# KiCad board Zazu.kicad_pcb (continued)
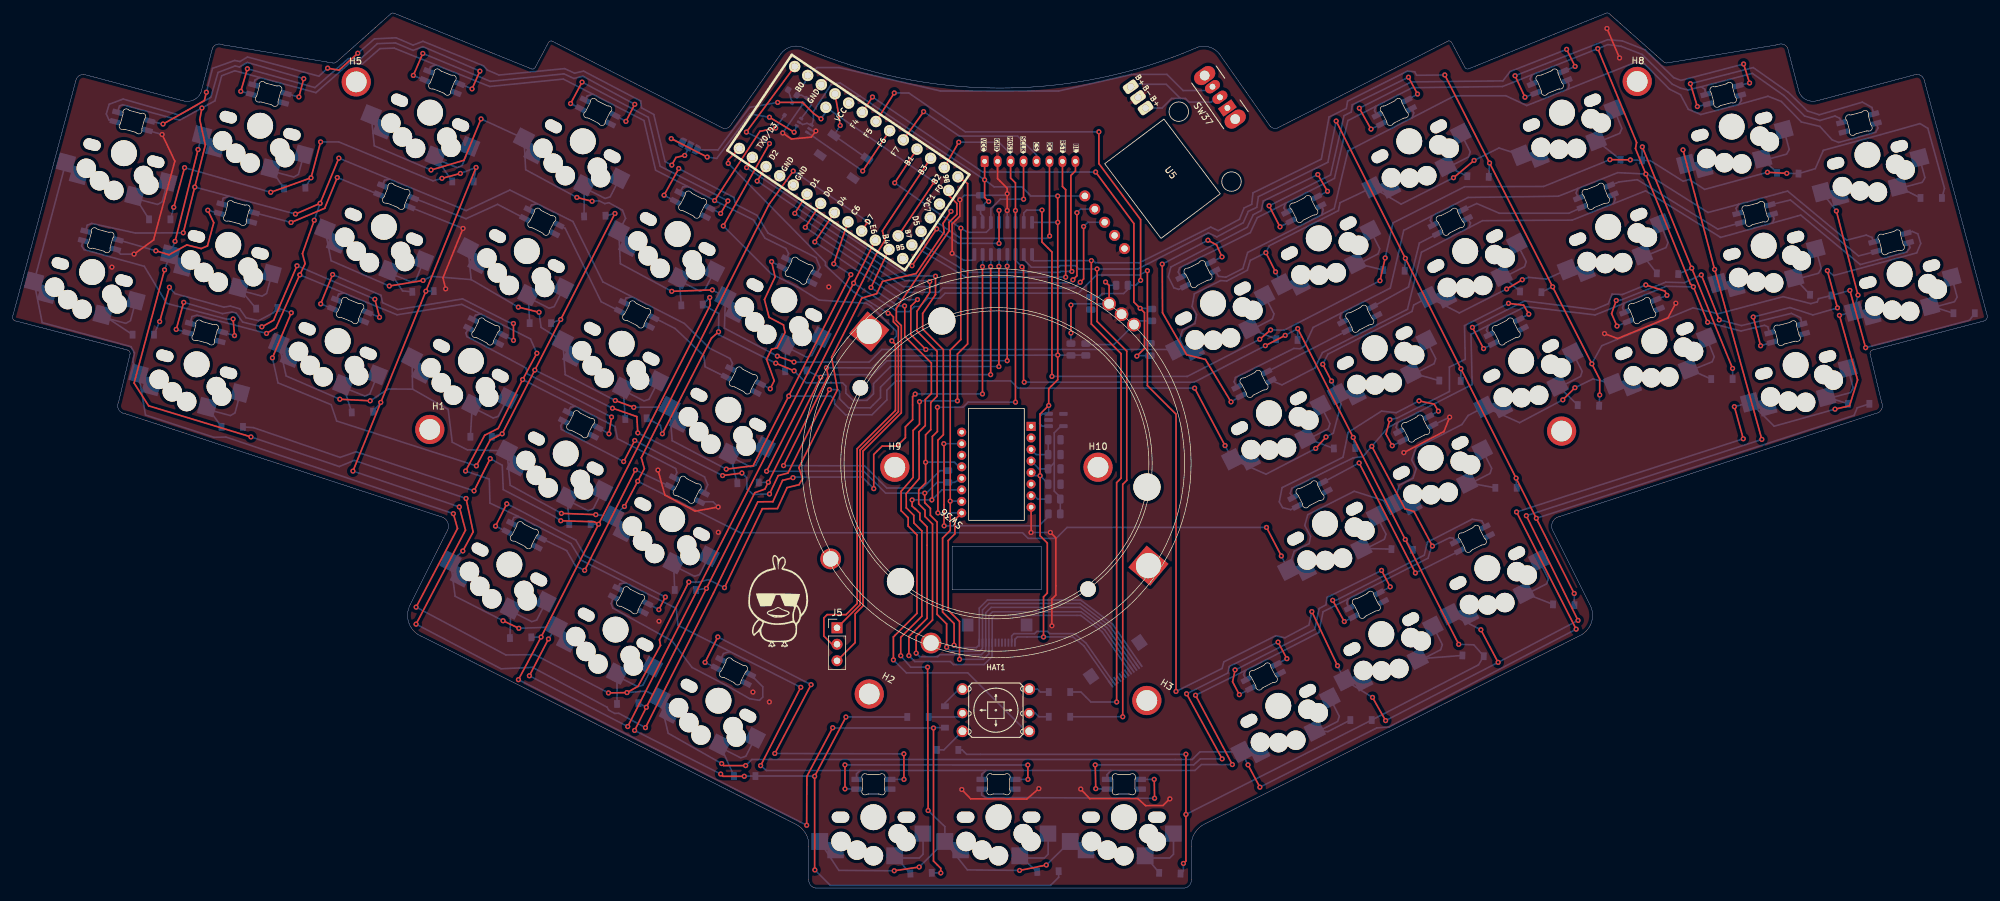
[diagram p0: board, top side]
## Nets (continued)
Net-(D45-Pad2): D45.2 D51.4
Net-(D45-Pad4): D45.4 D89.2
Net-(D46-Pad2): D46.2 D53.4
Net-(D47-Pad2): D47.2 D54.4
Net-(D47-Pad4): D47.4 D90.2
Net-(D48-Pad2): D48.2 D55.4
Net-(D48-Pad4): D48.4 D91.2
Net-(D49-Pad2): D49.2 D56.4
Net-(D51-Pad2): D51.2 D58.4
Net-(D52-Pad2): D52.2 D59.4
Net-(D53-Pad2): D53.2 D60.4
Net-(D54-Pad2): D54.2 D61.4
Net-(D55-Pad2): D55.2 D62.4
Net-(D56-Pad2): D56.2 D63.4
Net-(D57-Pad2): D57.2 D64.4
Net-(D58-Pad2): D58.2 D65.4
Net-(D59-Pad2): D59.2 D66.4
Net-(D60-Pad2): D60.2 D67.4
Net-(D61-Pad2): D61.2 D68.4
Net-(D62-Pad2): D62.2 D69.4
Net-(D63-Pad2): D63.2 D70.4
Net-(D64-Pad2): D64.2 D71.4
Net-(D65-Pad2): D65.2 D72.4
Net-(D66-Pad2): D66.2 D73.4
Net-(D67-Pad2): D67.2 D74.4
Net-(D68-Pad2): D68.2 D83.4
Net-(D69-Pad2): D69.2 D84.4
Net-(D70-Pad2): D70.2 D86.4
Net-(D71-Pad2): D71.2 D87.4
Net-(D72-Pad2): D72.2 D88.4
Net-(D73-Pad2): D73.2 D89.4
Net-(D74-Pad2): D74.2 D90.4
Net-(D75-Pad1): D75.1 SW38.2
Net-(D76-Pad1): D76.1 SW39.2
Net-(D77-Pad1): D77.1 SW40.2
Net-(D78-Pad1): D78.1 SW41.2
Net-(D79-Pad1): D79.1 SW42.2
Net-(D80-Pad1): D80.1 SW43.2
Net-(D81-Pad1): D81.1 SW44.2
Net-(D82-Pad1): D82.1 SW45.2
Net-(D83-Pad2): D83.2 D91.4
Net-(D84-Pad2): D84.2 D85.4
Net-(D87-Pad2): D87.2 D92.4
Net-(R1-Pad2): R1.2 U4.15
Net-(R2-Pad1): R2.1 U4.7
Net-(R4-Pad2): R4.2 R5.1 SW36.A
Net-(R6-Pad1): R6.1 R7.2 SW36.B

Pads without a net: D50 2; D57 4; D92 2; H1 1; H2 1; H3 1; H4 1; H5 1; H8 1; H9 1; H10 1; J1 3 4 5 6 7 13 14; J2 6 7 8 9 10 13 14; SW36 MP; SW37 1; U2 9; U3 4; U4 1 2 6 14 16; U5 4

## Via types
v1: diameter 0.8, hole 0.4, Top to Bottom, 450 vias

## Routing (per net, layer and track width the routed paths; a pad name or vN(x,y) marks a point on that pad's centre or on a via; arc(x,y) is an arc through that point)
GND: length 461.8
  Top w0.25: v1(245.78,132.56) v1(247.72,128.01) ; v1(18.74,97.76) 21.75,99.94 25.03,112.1 v1(23.07,116.21) ; v1(108.79,58.76) 105.24,58.12 100.57,60.59 v1(99.5,64.46) ; v1(160.22,40.44) 160.22,44.56 160.83,45.17 160.83,53.99 v1(159.98,54.84) ; v1(144.84,97.88) 144.84,102.42 146.03,103.61 v1(146.03,106.14) ; v1(123.83,116.75) 123.14,115.8 120.06,115.51 v1(118.73,116.44) ; v1(178.4,13.75) 177.33,12.72 174.66,12.7 173.48,13.78 166.06,13.78 v1(164.66,15.26) ; v1(245.4,85.5) 247.42,84.74 255.18,87.94 v1(256.39,90.19) ; v1(157,54.83) 157.01,54.84 U4.8 ; J3.2 151.85,109.4 153.33,107.92 v1(153.33,107.08) v1(153.33,104.48) ; v1(214.47,67.15) 220.65,70.4 v1(221.53,72.62) ; v1(146.33,15.19) 147.69,13.76 156.34,13.72 v1(158.21,15.33) ; v1(69.45,101.72) 66.36,94.1 v1(66.77,92.4)
  Bottom w0.25: 239.82,123.23 233.41,120.67 230.18,122.19 222.31,122.18 215.76,118.8 ; 239.82,123.23 239.96,123.88 D71.3 ; 239.82,123.23 250.23,127.37 251.53,127.13 255.42,123.2 257.11,122.35 258.32,120.09 260.25,119.29 266.09,120.83 ; U2.8 148.27,97.13 147.96,96.81 146.63,96.81 v1(144.84,97.88) ; C6.2 v1(118.73,116.44) ; v1(153.33,107.08) 153.08,106.83 C5.2 146.72,106.83 v1(146.03,106.14) ; U6.2 123.26,116.81 v1(123.83,116.75) ; 246.82,105.56 251.73,107.52 263.14,100.44 263.3,100.34 271.31,102.57 ; 246.82,105.56 240.39,103 226.6,102.92 224.52,101.85 ; 246.82,105.56 247.08,106.26 D63.3 ; D56.3 271.55,103.2 271.31,102.57 ; 201.83,103.83 190.4,98.02 189.65,95.53 187.04,94.2 185.91,94.33 D50.3 ; 201.83,103.83 203.74,104.8 205.86,113.7 215.76,118.8 ; 201.83,103.83 202.05,104.63 D57.3 ; U1.4 U1.3 ; U2.13 153.33,102.68 v1(153.33,104.48) ; v1(157,54.83) 159.97,54.83 v1(159.98,54.84) ; 266.09,120.83 266.51,121.49 D87.3 ; 266.09,120.83 270.6,122.11 272.66,121.3 275.74,118.14 278.6,117.45 280.48,115.39 281.49,114.98 287.19,116.54 287.56,117.2 D92.3 ; J1.2 165.48,37.77 163.68,39.23 159.88,39.23 159.53,39.58 157.91,39.58 157.56,39.23 154.37,39.23 154.02,38.88 J2.11 ; D68.3 v1(69.45,101.72) ; 271.31,102.57 275.15,103.64 275.64,103.78 284.75,96.21 284.82,96.15 292,98.09 292.5,98.77 D49.3 ; D70.3 224.74,102.56 224.52,101.85 ; v1(18.74,97.76) 16.66,97.76 D91.3 ; 224.52,101.85 217.18,98.06 215.03,89.25 214.74,89.1 201.92,82.57 200.75,80.2 195.68,77.59 D44.3 ; 215.76,118.8 216,119.54 D64.3 ; D65.3 v1(221.53,72.62) ; D84.3 107.98,59.57 v1(108.79,58.76) ; D46.3 v1(23.07,116.21)
  vias: v1(15.33,95.75) v1(99.65,41.14) v1(108.8,54.86) v1(114.13,30.22) v1(116.67,28.69) v1(125.83,92.71)
VCC: length 253.5
  Top w0.25: v1(118.86,65.14) 125.73,78.91 v1(125.46,80.24) ; v1(161.11,106.72) v1(161.12,102.66) v1(161.12,82.19) 161.12,78.39 159.73,77 v1(159.73,74.42) 158.4,73.09 v1(158.4,63.59) 158.4,54.32 159.51,53.21 159.51,45.48 158.93,44.9 v1(158.93,38.72) ; v1(150.47,105.88) 149.85,106.5 v1(149.85,109.22) J3.1
  Bottom w0.25: R3.2 142.98,64.38 140.3,61.69 134.77,61.69 131.34,65.12 v1(118.86,65.14) ; C1.1 159.65,62.34 v1(158.4,63.59) 158.39,63.6 157.48,63.6 U4.5 ; U2.10 149.54,103.67 149.23,103.98 C5.1 150.17,105.88 v1(150.47,105.88) ; J2.12 154.52,38.34 154.9,38.72 v1(158.93,38.72) 163.49,38.72 165.15,37.35 J1.1 ; U3.1 158.72,71.23 158.34,71.61 158.34,72.7 158.76,73.13 U3.3 159.73,73.14 v1(159.73,74.42) ; 130.7,122.09 127.6,124.15 126.27,124.03 123.46,119.77 123.45,118.4 U6.1 122.46,117.93 121.8,117.75 121.39,118 ; 130.7,122.09 129.69,122.1 U1.21 ; 130.7,122.09 142.6,114.08 v1(149.85,109.22) 151.32,108.13 155.59,108.13 157,106.72 v1(161.11,106.72) U5.1 ; v1(161.12,102.66) U2.16 ; R5.2 165.39,82.19 v1(161.12,82.19) 134.34,82.08 132.45,80.21 v1(125.46,80.24)
VDD: length 19.2
  Bottom w0.25: 160.58,65.57 C2.1 158.22,64.64 U4.4 ; 160.58,65.57 160.58,70.2 161.6,71.23 U3.5 ; 160.58,65.57 160.58,61.22 161.51,60.29 R2.2 R1.1
bat+: length 21.3
  Bottom w0.25: 180.02,121.77 178.68,121.77 177.2,120.29 J4.3 ; 180.02,121.77 180.8,121.77 181.36,121.21 184.81,121.21 185.54,121.94 SW37.2 ; 180.02,121.77 177.84,123.95 173.16,123.95 172.78,123.57 J4.1
col0: length 304.6
  Top w0.25: v1(149.52,95.83) v1(149.52,76.2) ; v1(52.48,64.3) v1(56.77,74.89) v1(63.72,92.04) v1(71.46,111.13) ; v1(26.53,111.09) v1(24.86,104.98) ; v1(47.5,115.06) v1(46.02,109.53) v1(39.81,107.3) ; v1(120.31,63.28) 118.7,62.86 117.22,59.58 114.89,59.56 108.04,45.46 v1(97.57,24.73) ; v1(62.21,40.69) 69.83,55.19 v1(68.88,58.77) ; v1(132.76,61.59) 132.76,66.86 134.05,68.15 136.35,68.15 137.64,69.44 137.64,71.12 138.75,72.23 138.75,75.78 v1(139.15,76.18) ; v1(69.04,110.2) v1(66.2,109.45)
  Bottom w0.25: U2.7 149.54,95.86 v1(149.52,95.83) ; v1(149.52,76.2) 139.17,76.2 v1(139.15,76.18) ; v1(24.86,104.98) D75.2 ; D2.2 v1(63.72,92.04) ; v1(46.02,109.53) D3.2 ; v1(62.21,40.69) 75.31,33.81 80.16,34.03 91.66,27.88 91.91,27.43 92.84,26.93 93.47,26.94 v1(97.57,24.73) ; v1(39.81,107.3) v1(26.53,111.09) ; v1(132.76,61.59) 130.97,63.38 120.41,63.38 v1(120.31,63.28) ; v1(68.88,58.77) v1(52.48,64.3) ; D1.2 v1(71.46,111.13) v1(69.04,110.2) ; v1(66.2,109.45) 64.82,109.06 50.3,115.06 v1(47.5,115.06) ; D6.2 v1(56.77,74.89)
col1: length 235.4
  Top w0.25: v1(112.44,64) v1(109.46,63.61) ; v1(125.93,76.86) 119.54,64 118.03,63.6 v1(116.69,60.77) ; v1(22.69,87.35) v1(24.19,92.65) ; v1(150.78,95.85) v1(150.78,79.17) ; v1(92.87,104.03) v1(84.5,87.68) v1(80.51,79.88) v1(75.49,70.05) 73.64,69.1 v1(71.51,65.1) ; v1(92.49,74) 96.24,72.7 v1(96.39,70.19) ; v1(42.98,88.71) v1(40.07,81.76)
  Bottom w0.25: v1(125.93,76.86) 127.24,76.86 127.49,76.61 127.49,75.45 128.88,74.06 132.24,74.06 133.8,75.62 133.8,77.24 135.73,79.17 v1(150.78,79.17) ; v1(71.51,65.1) 49.97,72.02 49.12,74.54 40.93,77.9 v1(40.07,81.76) ; v1(92.49,74) v1(80.51,79.88) ; U2.6 150.81,95.89 v1(150.78,95.85) ; v1(42.98,88.71) D7.2 40.22,88.72 37.93,87.5 36,87.95 35.03,89.32 33.58,89.75 32.6,89.58 25.05,91.67 v1(24.19,92.65) ; D4.2 v1(92.87,104.03) ; v1(109.46,63.61) v1(96.39,70.19) ; v1(75.49,70.05) D10.2 ; v1(116.69,60.77) 114.18,60.7 113.22,61.52 113.18,63.28 v1(112.44,64) ; D76.2 v1(22.69,87.35) ; D5.2 v1(84.5,87.68)
col2: length 337.9
  Top w0.25: v1(141.97,24.68) 141.97,4.16 143.09,3.04 v1(143.09,2.32) ; v1(152.05,95.87) v1(152.05,80.42) ; v1(84.52,56.64) 89.69,56.48 v1(90.34,56.11) ; v1(90.34,56.11) v1(81.48,38.7) v1(77.99,32.13) ; v1(90.34,56.11) 107.56,89.91 v1(107.48,91.07) ; v1(120.48,79.76) v1(117.65,80.94) ; v1(122.42,9.68) 122.45,17.22 v1(126.43,24.72) ; v1(100.18,70.05) 107.75,84.81 v1(108.83,85.78) ; v1(71.15,61.25) v1(73.64,66.22)
  Bottom w0.25: v1(152.05,80.42) 135.35,80.42 132.72,77.79 132.72,76.22 131.7,75.2 129.58,75.2 128.46,76.32 128.46,77.4 127.94,77.92 122.32,77.92 v1(120.48,79.76) ; v1(126.43,24.72) 126.47,24.68 v1(141.97,24.68) 142.02,24.73 D35.2 ; D12.2 141.72,2.32 v1(143.09,2.32) ; v1(73.64,66.22) 75.5,65.19 75.65,61.44 83.39,57.4 v1(84.52,56.64) ; U2.5 152.08,95.91 v1(152.05,95.87) ; v1(107.48,91.07) D8.2 108.87,88.6 v1(108.83,85.78) 108.83,85.35 v1(117.65,80.94) ; D11.2 v1(81.48,38.7) ; v1(71.15,61.25) 52.95,67.28 50.5,66.41 37.15,71 D77.2 ; D9.2 99.88,71.34 v1(100.18,70.05) ; D15.2 v1(90.34,56.11) ; v1(122.42,9.68) v1(77.99,32.13)
col3: length 218.9
  Top w0.25: v1(123.68,2.79) 123.65,2.82 v1(123.65,17.23) v1(128.47,26.37) ; v1(95.9,24.3) v1(97.7,27.88) v1(106.97,46.21) 114.42,60.96 115.98,61.52 v1(116.5,62.58) v1(124.59,78.76) ; v1(109.17,17.58) 109.52,17.23 v1(112.81,17.23) ; v1(153.33,95.9) v1(153.33,81.32)
  Bottom w0.25: U2.4 153.35,95.93 v1(153.33,95.9) ; v1(128.47,26.37) 128.48,26.38 D36.2 ; v1(123.68,2.79) 126.07,0.4 160,0.4 161.26,1.66 D17.2 ; D13.2 v1(124.59,78.76) 125,79.17 132.63,79.17 134.78,81.32 v1(153.33,81.32) ; D20.2 v1(106.97,46.21) ; D14.2 v1(116.5,62.58) ; v1(109.17,17.58) v1(95.9,24.3) ; D16.2 v1(97.7,27.88) ; v1(123.65,17.23) 123.61,17.27 D78.2 112.85,17.27 v1(112.81,17.23)
col4: length 235.5
  Top w0.25: v1(155.61,95.79) 155.85,95.55 155.85,78.12 v1(155.96,78.01) ; v1(222.93,37.58) v1(214.69,53.75) v1(206.66,69.49) v1(198.11,86.27) ; v1(196.18,85.23) v1(193.12,83.64) ; v1(180.49,3.79) 180.88,4.18 v1(180.88,11.35) v1(180.88,20.63)
  Bottom w0.25: D23.2 v1(214.69,53.75) ; v1(155.96,78.01) 182.14,78.01 v1(193.12,83.64) ; D22.2 180.49,2.66 v1(180.49,3.79) ; D18.2 v1(198.11,86.27) v1(196.18,85.23) ; D19.2 v1(206.66,69.49) ; v1(155.61,95.79) 154.62,96.78 U2.3 ; D37.2 146.39,21.3 147.08,20.61 180.86,20.61 v1(180.88,20.63) ; v1(180.88,11.35) D79.2 225.98,34.42 D21.2 225.25,37.51 v1(222.93,37.58)
col5: length 283.6
  Top w0.25: v1(204.04,118.28) v1(214.7,97.11) v1(223.26,80.1) v1(231.77,63.21) v1(234.89,57.02) v1(240.73,45.42) ; v1(171.14,26.41) 171.14,62.25 171.76,62.87 171.76,82.8 167.18,87.38 v1(167.18,95.47)
  Bottom w0.25: U2.2 155.89,96.92 157.07,95.74 161.27,95.74 161.51,95.98 163.84,95.98 164.35,95.47 v1(167.18,95.47) 173.45,95.47 184.33,101.04 185.64,100.41 189.72,102.6 190.49,104.35 191.8,104.98 192.05,106.62 202.76,111.93 v1(204.04,118.28) ; v1(171.14,26.41) 171.13,26.42 D38.2 ; D80.2 284.35,74.06 283.88,72.89 v1(234.89,57.02) ; D27.2 v1(231.77,63.21) ; D25.2 v1(223.26,80.1) ; v1(240.73,45.42) D26.2 ; D24.2 v1(214.7,97.11)
col6: length 288.3
  Top w0.25: v1(166.3,96.75) 166.3,86.99 170.88,82.41 170.88,63.2 170.2,62.52 v1(170.2,28.69) ; v1(220.78,125.39) v1(227.68,111.82) v1(237.4,92.72) v1(243.44,80.85) 244.66,78.46 v1(244.66,76.04) ; v1(285.65,83.33) v1(283.22,92.16)
  Bottom w0.25: v1(220.78,125.39) 216.43,125.34 216.15,125.88 215.02,125.98 205.8,121.36 205.6,120.23 202.94,118.91 201.75,112.4 191.22,107.21 191.02,105.44 189.84,104.88 189.14,103.14 185.85,101.38 184.7,101.93 173.7,96.43 166.94,96.43 166.62,96.75 v1(166.3,96.75) 157.37,96.74 157.16,96.95 U2.1 ; v1(170.2,28.69) 166.23,28.69 164.69,30.23 D39.2 ; D29.2 v1(237.4,92.72) ; D28.2 v1(227.68,111.82) ; D81.2 301.67,87.56 v1(285.65,83.33) ; v1(243.44,80.85) 244.97,83.63 259.05,89.48 262.89,88.56 272.93,91.2 277.19,90.12 278.2,90.4 278.38,90.89 D31.2 v1(283.22,92.16) ; v1(244.66,76.04) D30.2
col7: length 237.3
  Top w0.25: v1(251.23,114.3) v1(258.84,95.6) v1(265.14,80.13) ; v1(160.23,78.9) 160.23,98.09 158.69,99.63 v1(158.69,104.55) ; v1(193.93,86.07) v1(192.26,84.63) ; v1(273.49,110.22) v1(270.51,110.38) ; v1(249.38,112.3) v1(246.24,112.33) ; v1(211.59,97.17) v1(210.79,93.66)
  Bottom w0.25: v1(270.51,110.38) 260.83,107.74 258.47,109.28 257.52,109 252.44,112.19 D32.2 ; v1(265.14,80.13) D43.2 ; v1(160.23,78.9) 181.06,78.9 181.07,78.89 v1(192.26,84.63) ; v1(246.24,112.33) 236.01,108.19 223.85,108.16 212.8,102.58 v1(211.59,97.17) ; v1(273.49,110.22) D34.2 277.89,110.94 279.06,113.61 279.13,113.77 287.99,116.19 294.03,117.89 295.24,117.16 297.81,107.9 D82.2 ; U2.15 155.89,104.12 156.33,104.55 v1(158.69,104.55) ; v1(193.93,86.07) 196.02,86.04 199,87.58 v1(210.79,93.66) ; D32.2 v1(249.38,112.3) ; D32.2 v1(251.23,114.3) ; D33.2 v1(258.84,95.6)
EncL: length 76.2
  Top w0.25: U1.20 v1(132.56,121.99) ; v1(166.96,110.42) 172.85,102.48 172.85,90.37 v1(173.82,89.4) 174.49,88.73 174.49,83.21 v1(173.31,82.03)
  Bottom w0.25: v1(132.56,121.99) 149.56,110.42 v1(166.96,110.42) ; R4.1 175.5,89.4 v1(173.82,89.4) ; C7.1 173.38,82.1 v1(173.31,82.03)
EncR: length 72.8
  Top w0.25: v1(173.9,93.72) 173.89,93.73 173.89,103.08 167.46,111.72 v1(167.46,116.62) ; v1(135.92,122.62) U1.19
  Bottom w0.25: v1(135.92,122.62) 135.93,122.61 138.16,122.61 146.87,116.62 v1(167.46,116.62) ; C8.1 167.41,91.11 167.98,91.69 171.28,91.69 171.94,92.34 R7.1 173.14,92.96 v1(173.9,93.72)
GPIO10: length 90.3
  Top w0.25: v1(134.97,88.65) 135.22,88.65 135.79,88.08 135.79,87.32 136.55,86.56 136.55,73.46 130.65,67.56 130.65,43.69 J5.1 ; v1(110.33,111.76) 110.33,112.34 U1.31
  Bottom w0.25: v1(134.97,88.65) 129.64,91.95 129.38,92.2 125.32,96.01 125.32,96.52 v1(110.33,111.76)
GPIO11: length 120
  Top w0.25: J5.2 126.33,37.59 125.06,38.86 125.06,41.66 125.57,42.16 128.49,42.16 130.2,43.87 130.2,67.75 136.1,73.65 136.1,83.83 v1(135.54,84.39) ; v1(113.13,116.59) U1.32 ; v1(109.57,102.11) v1(116.68,114.81)
  Bottom w0.25: v1(109.57,102.11) 116.94,94.74 121,92.71 124.3,90.68 131.65,90.17 132.36,89.73 136.24,85.85 136.24,85.09 v1(135.54,84.39) ; v1(116.68,114.81) v1(113.13,116.59)
GPIO16: length 80.5
  Top w0.25: U1.29 144.31,106.83 145.58,105.57 145.58,103.89 144.37,102.68 144.37,101.35 141.07,96.52 136.24,89.41 136.24,87.5 137,86.74 137,73.28 131.1,67.38 131.1,43.5 129.89,42.29 129.89,37.85 J5.3
LED_3V3: length 17.9
  Top w0.25: v1(131.05,110.58) U1.18
  Bottom w0.25: U6.3 v1(131.05,110.58)
LED_5V: length 55.7
  Top w0.25: U1.30 v1(142.08,108.9) ; v1(117.95,121.16) 121.78,121.16 123.49,119.45 v1(124.63,118.63)
  Bottom w0.25: JP1.1 108.76,113.84 109.82,115.32 113.63,120.4 v1(117.95,121.16) ; v1(142.08,108.9) U1.30 125.25,119.49 v1(124.63,118.63)
LED_DO: length 102.8
  Top w0.25: v1(48.58,126.44) 50.32,126.13 v1(53.23,128.74) ; v1(103.62,112.98) 102.27,112.67 v1(101.63,111.49) ; v1(23.21,117.82) 27.07,119.99 29.58,121.45 v1(29.89,122.73)
  Bottom w0.25: v1(23.21,117.82) D46.4 ; v1(53.23,128.74) 55.8,130.96 59.14,131.12 61.75,129.99 63.27,130.58 72.6,126.8 73.2,126.14 74.99,125.38 85.12,126.37 86.63,125.67 88.04,125.98 96.85,121.36 96.96,120.32 98.85,119.3 100.59,112.04 v1(101.63,111.49) ; v1(29.89,122.73) 30.84,126.41 34.26,127.63 35.06,127.46 36.23,128.16 47.23,125.2 v1(48.58,126.44) ; JP1.2 v1(103.62,112.98)
LED_PWR: length 1064.5
  Top w0.25: v1(209.53,68.12) 214.63,58.49 216.04,58.06 v1(218.87,52.74) ; v1(26.33,101.05) v1(28.1,108.1) 29.73,114.59 28.87,118.49 v1(29.2,120.3) ; v1(39.16,85.53) 40.61,86.41 v1(44.29,94.56) 45.11,96.29 44.7,97.84 v1(46.52,102.98) ; v1(182.36,29.73) v1(188.03,19.04) ; v1(43.62,103.94) v1(47.42,105.59) v1(50.31,112.56) ; v1(108.23,106.02) 115.21,116.69 v1(117.64,117.2) ; v1(80.83,82.47) v1(78.64,78.41) 74.88,70.88 72.79,69.83 v1(69.84,64.3) ; v1(244.36,129.45) 250.35,114.97 250.17,114.05 v1(251.77,110.11) 258.65,93.16 v1(259.1,92.71) v1(261.29,87.25) ; v1(115.32,18.87) v1(121.51,30.95)
  Bottom w0.25: v1(39.16,85.53) 28.44,88.34 27.67,88.13 D48.1 ; 196.18,105.57 203.77,109.44 205.84,118.35 210.09,120.53 ; 196.18,105.57 195.98,104.88 D57.1 ; 196.18,105.57 191.88,103.38 190.81,101.08 179.9,95.66 179.7,94.99 D50.1 ; v1(115.32,18.87) 116.22,18.12 130.62,18.12 ; D69.1 86.03,74.13 86.73,74.3 ; 104.08,108.19 99.14,110.69 97.34,118.36 89.45,122.42 ; 104.08,108.19 103.34,108.13 D74.1 ; 104.08,108.19 v1(108.23,106.02) 114.23,103.03 116,100.21 119.21,98.63 119.64,97.84 D90.1 ; 38.12,125 34.27,126.04 32.25,125.27 31.21,121.4 v1(29.2,120.3) 25.77,118.41 16.98,120.8 16.5,120.61 D46.1 ; 38.12,125 46.78,122.66 51.97,127.22 53.94,127.09 56.64,129.45 58.83,129.53 65.26,126.94 ; 38.12,125 37.37,124.6 D53.1 ; 205.82,44.55 205.67,43.89 D45.1 ; 205.82,44.55 202.02,42.61 201.37,39.4 190.01,33.54 ; 205.82,44.55 218.21,50.87 218.72,52.66 v1(218.87,52.74) 221.55,54.03 222.08,53.94 D51.1 ; 227.43,86.73 224.82,85.39 225,77.65 213.47,71.77 ; 227.43,86.73 227.2,86.02 D72.1 ; 227.43,86.73 233.17,89.67 243.95,88.38 248.39,90.17 ; 169.29,18.13 150.03,18.13 ; 169.29,18.13 168.71,17.47 D73.1 ; 169.29,18.13 182.27,18.13 183.27,19.04 v1(188.03,19.04) ; 150.03,18.13 130.62,18.12 ; 150.03,18.13 149.4,17.54 D66.1 ; 110.57,36.47 102.58,40.5 102.32,43.11 94.56,47.06 ; 110.57,36.47 109.6,36.16 D52.1 ; 110.57,36.47 v1(121.51,30.95) ; D63.1 241.02,107.19 241.27,107.88 ; 266.08,105.45 270.38,106.6 272.91,107.29 273.63,107.48 282.73,99.91 285.73,100.69 286.62,100.34 D49.1 ; 266.08,105.45 261.35,104.18 252,110.09 v1(251.77,110.11) 247.44,110.33 241.27,107.88 ; 266.08,105.45 265.67,104.82 D56.1 ; 213.47,71.77 212.02,71.02 v1(209.53,68.12) 208.18,66.54 206.67,66.34 197.2,61.64 196.96,60.87 D58.1 ; 213.47,71.77 213.26,71.04 D65.1 ; 51.01,91.8 50.27,91.59 D55.1 ; 51.01,91.8 v1(44.29,94.56) ; 51.01,91.8 59.28,88.4 69.25,90.01 72.16,88.55 ; D41.1 93.62,46.93 94.56,47.06 ; 94.56,47.06 87.63,50.58 86.09,53.11 77.96,57.3 ; 72.16,88.55 71.36,88.34 D62.1 ; 72.16,88.55 79.85,84.68 v1(80.83,82.47) ; 65.26,126.94 73.55,123.61 84.9,124.76 89.45,122.42 ; 65.26,126.94 64.45,126.66 D60.1 ; 234.18,125.41 233.93,124.77 D71.1 ; 234.18,125.41 v1(244.36,129.45) 245.92,130.08 247.95,129.81 251.2,128.55 255.83,123.98 257.11,123.35 258.28,123.08 260.28,123.57 ; 234.18,125.41 229.68,123.61 215.76,123.42 210.09,120.53 ; 188.7,77.24 188.31,78.07 188.51,78.74 197.52,83.21 198.48,83.17 199.15,83.56 200.49,86.46 204.79,88.65 ; D47.1 110.99,80.9 110.61,81.66 107.44,83.25 103.56,87.07 95.55,91.16 ; D40.1 v1(117.64,117.2) ; 190.01,33.54 189.76,32.89 D89.1 ; 190.01,33.54 v1(182.36,29.73) ; D87.1 260.86,123.2 260.28,123.57 ; v1(259.1,92.71) 254.91,92.8 248.39,90.17 ; 77.96,57.3 77.28,57.14 D85.1 ; 77.96,57.3 73.6,59.36 73.5,63.06 v1(69.84,64.3) ; 248.39,90.17 248.18,89.47 D88.1 ; 260.28,123.57 268.18,125.64 273.08,122.19 276.24,119.06 278.6,118.37 280.93,119.06 281.64,118.71 D92.1 ; D61.1 80,105.33 80.88,105.54 ; 204.79,88.65 212.38,92.52 214.45,101.43 218.7,103.6 ; 204.79,88.65 204.59,87.96 205,87.28 ; D91.1 11.52,102.21 12.21,102.49 18.96,101.01 v1(26.33,101.05) ; 218.7,103.6 218.55,102.94 218.95,102.25 ; 218.7,103.6 224.37,106.5 238.29,106.69 241.27,107.88 ; 130.62,18.12 130.1,17.61 D59.1 ; 86.73,74.3 92.9,71.16 93.25,69.3 102.24,64.69 102.42,64.08 D84.1 ; 86.73,74.3 v1(78.64,78.41) ; D54.1 94.59,90.99 95.55,91.16 ; 95.55,91.16 91,93.48 86.39,102.79 80.88,105.54 ; 80.88,105.54 76.67,107.64 69.93,104.47 58.12,109.34 ; 33.36,106.69 v1(43.62,103.94) ; 33.36,106.69 v1(28.1,108.1) ; 33.36,106.69 32.48,106.37 D83.1 ; 89.45,122.42 88.6,122.16 D67.1 ; 58.12,109.34 57.34,109.13 D68.1 ; 58.12,109.34 v1(50.31,112.56) ; D42.1 270.57,86.55 270.06,86.78 266.42,85.9 v1(261.29,87.25) ; D64.1 209.94,119.86 210.09,120.53 ; v1(46.52,102.98) v1(47.42,105.59)
LED_SHFT_5V: length 26.6
  Top w0.25: v1(116.68,118.87) v1(120.49,116.56) ; v1(107.09,112.73) v1(101.55,115.57)
  Bottom w0.25: JP1.3 102.52,115.08 v1(101.55,115.57) ; v1(107.09,112.73) 108.55,112.52 110.84,115.57 111.43,116.33 113.63,119.38 v1(116.68,118.87) ; U6.4 v1(120.49,116.56)
MISO: length 153
  Top w0.25: v1(140.62,60.9) 140.62,59.42 141.49,58.55 141.49,57.48 142.52,56.45 142.52,42.2 143.99,40.73 v1(143.99,37.14) ; U1.15 134.09,101.33 134.47,99.86 133.13,97.71 v1(116.24,64.27)
  Bottom w0.25: v1(143.99,37.14) 144.6,36.53 149.08,36.53 149.52,36.97 J2.2 149.52,42.88 150.53,43.89 164.57,43.89 169.19,40.36 173.41,34.28 ; U4.12 145.19,62.55 R3.1 142.51,62.55 140.86,60.9 v1(140.62,60.9) 134.59,60.9 131.22,64.27 v1(116.24,64.27)
MOSI: length 161.3
  Top w0.25: v1(138.68,59.85) 138.68,58.91 139.08,58.51 139.16,58.51 139.87,57.8 139.87,56.81 140.98,55.7 140.98,41.59 138.18,38.79 v1(138.18,35.84) ; v1(154.61,74.93) 154.6,74.94 v1(154.6,104.48) 154.6,108.75 153.85,109.5 J3.3 ; v1(142.57,74.14) 142.57,70.41 141.8,69.64 141.8,59.94 v1(141.71,59.85) ; v1(145.86,115.02) U1.14
  Bottom w0.25: 151.02,36.55 J2.5 151.02,41.69 151.37,42.04 164.68,42.04 167.94,39.54 J1.8 ; 151.02,36.55 151.02,35.59 ; 151.02,36.55 151.02,35.71 149.77,34.46 145.03,34.46 144.56,34.93 139.09,34.93 v1(138.18,35.84) ; v1(154.61,74.93) 147.3,74.93 146.51,74.14 v1(142.57,74.14) ; J3.3 153.85,113.22 152.05,115.02 v1(145.86,115.02) ; U4.11 143.26,61.4 v1(141.71,59.85) v1(138.68,59.85) ; v1(154.6,104.48) 154.6,102.68 U2.14
MOTION: length 139.9
  Top w0.25: v1(113.16,111.1) U1.1 ; v1(142.65,57.85) 142.65,69.07 143.49,69.91 143.49,83.02 140.3,86.21 140.3,88.6 142.27,91.51 142.28,91.52 v1(142.28,94.35) ; v1(145.98,35.27) 145.98,41.1 144.24,42.84 144.24,53.59 145.27,54.62 145.27,56.8 U4.9
  Bottom w0.25: 172.57,33.73 168.35,39.81 164.72,42.6 151.06,42.6 150.52,42.06 J2.4 150.52,36.13 149.65,35.27 v1(145.98,35.27) ; v1(142.65,57.85) 142.66,57.84 U4.9 ; v1(113.16,111.1) 137.97,94.4 142.23,94.4 v1(142.28,94.35)
NCS: length 146.8
  Top w0.25: v1(141.39,93.53) 141.39,91.87 141.03,91.3 139.43,88.95 139.43,85.87 142.52,82.78 142.52,75.84 141.55,74.87 141.55,70.69 140.75,69.89 v1(140.75,65.66) 140.75,62.46 139.69,61.4 139.69,59.23 140.66,58.26 140.66,57.29 141.82,56.13 141.82,41.33 139.3,38.81 v1(139.3,36.22) ; v1(114.79,109.02) U1.2
  Bottom w0.25: v1(139.3,36.22) 139.84,35.68 142.61,35.68 142.92,35.99 149.34,35.99 150.02,36.67 J2.3 150.02,42.44 150.86,43.28 164.59,43.28 168.77,40.09 172.99,34.01 ; v1(114.79,109.02) 137.53,93.66 141.26,93.66 v1(141.39,93.53) ; v1(140.75,65.66) 140.76,65.67 145.2,65.67 145.91,64.96 U4.13
RAW: length 74
  Bottom w0.25: SW37.3 184.38,122.99 180.44,122.99 177.95,125.48 172.52,125.48 161.27,122.92 143.04,122.92 127.42,126.53 124.01,126.53 U1.24 122.19,124.31 F1.2 121.64,122.26 C6.1 122.98,121.45 123.15,120.75 U6.6
RESET: length 13
  Top w0.25: v1(127.59,117.59) 127.33,119.43 U1.22
  Bottom w0.25: SW35.1 SW35.1 v1(127.59,117.59)
row_0: length 265.8
  Top w0.25: v1(107.88,92.24) v1(101.62,92.02) ; v1(64.52,110.73) 69.59,112.23 v1(72.23,118.61) ; v1(225.3,112.21) v1(222.12,109.54) ; v1(140.78,83.06) 138.47,85.37 138.47,89.72 v1(139.5,90.75) ; U1.7 v1(123.67,99.64) ; v1(120.47,81.11) v1(117.9,82.03) ; v1(194.69,95.02) v1(193.2,97.98) ; v1(89.35,105.91) v1(87,106.5)
  Bottom w0.25: v1(139.5,90.75) 139.49,90.74 136.92,90.74 v1(123.67,99.64) ; v1(107.88,92.24) SW13.1 109.74,86.34 v1(117.9,82.03) ; SW1.1 55.77,114.46 v1(64.52,110.73) ; v1(87,106.5) 79.11,110.77 SW4.1 v1(72.23,118.61) ; v1(225.3,112.21) 229.13,114.13 SW32.1 ; v1(222.12,109.54) 214.04,105.47 SW28.1 204.64,105.69 204.38,104.47 193.72,99.05 v1(193.2,97.98) 190.8,96.79 190.35,95.28 187.16,93.61 186.23,93.68 182.18,91.65 181.83,89.69 182.52,88.43 182.26,87.05 180.36,86.07 SW18.1 v1(140.78,83.06) 133.99,83.06 132.05,81.11 v1(120.47,81.11) ; v1(89.35,105.91) 90.43,105.98 91.3,105.55 91.93,105.69 94.04,104.52 94.51,103.28 SW8.1 93.7,96.28 v1(101.62,92.02) ; SW24.1 v1(194.69,95.02)
row_1: length 287.7
  Top w0.25: v1(95.77,74.13) v1(92.92,75.18) ; v1(186.91,68.23) v1(182.22,77.09) ; v1(232.73,93.81) v1(230.31,92.38) ; U1.8 v1(126.59,96.27) ; v1(110.03,64.6) 114.16,65.12 v1(119.65,75.87) v1(129.23,94.6) ; v1(81.17,88.79) v1(77.98,89.58) ; v1(200.88,67.79) v1(202.47,69.56) ; v1(203.32,78.18) v1(201.97,80.77) ; v1(63.29,93.7) v1(58.09,92.84)
  Bottom w0.25: v1(119.65,75.87) 126.13,75.87 126.73,75.27 126.73,74.66 128.41,72.98 132.48,72.98 134.78,75.28 134.78,76.78 136.2,78.2 153.89,78.2 155,77.09 v1(182.22,77.09) ; v1(202.47,69.56) 203.6,70.15 204.79,74.64 SW25.1 v1(203.32,78.18) ; v1(58.09,92.84) 49.12,96.74 SW2.1 ; SW33.1 236.43,93.91 233.69,94.18 v1(232.73,93.81) ; v1(95.77,74.13) SW14.1 101.69,68.99 v1(110.03,64.6) ; v1(230.31,92.38) 223.02,88.69 SW29.1 215.99,89.9 215.72,88.92 202.77,82.34 v1(201.97,80.77) ; v1(126.59,96.27) v1(129.23,94.6) ; v1(81.17,88.79) 81.48,86.46 SW9.1 85.2,79.17 v1(92.92,75.18) ; v1(200.88,67.79) 193.22,63.82 SW19.1 v1(186.91,68.23) ; v1(63.29,93.7) 64.53,94.34 70.71,93.83 ; 70.71,93.83 SW5.1 ; 70.71,93.83 v1(77.98,89.58)
row_2: length 326.9
  Top w0.25: v1(94.33,58.84) v1(96.37,62.74) 97.4,64.68 96.93,66.36 116.6,105.41 v1(120.35,110.57) ; v1(89.92,57.58) v1(84.61,57.78) ; v1(195.59,51.21) v1(193.3,55.61) ; v1(240.84,77.16) v1(238.97,75.29) ; v1(55.14,75.14) v1(50.46,75.38) ; v1(131.84,102.76) U1.9
  Bottom w0.25: SW46.1 243.6,78.5 v1(240.84,77.16) ; v1(55.14,75.14) 57.9,76.96 61.67,76.94 ; v1(84.61,57.78) 76.72,62.12 SW15.1 70.11,67.58 67.79,68.75 67.16,73.8 61.67,76.94 ; v1(193.3,55.61) 162.56,55.61 160.87,53.92 156.56,53.92 155.69,54.79 112.21,54.79 v1(96.37,62.74) ; v1(238.97,75.29) 232.31,71.77 SW30.1 224.38,72.87 223.42,71.48 216.31,67.87 215.67,66.02 216.38,64.67 215.9,63.2 213.76,62.12 SW27.1 206.82,61.19 199.66,57.58 199.19,55.9 200.09,54.24 199.88,53.13 197.56,51.92 SW23.1 v1(195.59,51.21) ; v1(94.33,58.84) SW20.1 v1(89.92,57.58) ; 61.67,76.94 SW10.1 ; SW6.1 42.19,78.97 v1(50.46,75.38) ; v1(120.35,110.57) v1(131.84,102.76)
row_3: length 552.2
  Top w0.25: v1(229,34.8) v1(226.34,39.83) ; U1.10 132.16,98.21 v1(129.65,93.29) v1(94.84,24.9) ; v1(69.42,51.98) 71.01,54.92 v1(69.92,60.07) ; v1(36.76,69.57) 20.99,74.36 18.75,77.87 v1(23.44,95.33) ; v1(78.06,40.05) v1(75.62,41.22) ; v1(28.61,113.89) v1(25.06,99.73) ; v1(269.65,69.19) v1(262.37,95.4) v1(257.5,113.84) ; v1(174.94,95.2) 174.94,77.48 179.35,73.07 v1(179.35,30.32) ; v1(204.25,34.28) v1(200.29,42.63) ; v1(233.35,57.42) v1(241.32,41.27) ; v1(79.68,32.73) v1(82.62,38.41) ; v1(211.66,25.82) v1(209.64,29.4)
  Bottom w0.25: v1(200.29,42.63) 199.84,40.55 196.14,38.59 194.72,38.91 186.72,34.88 186.45,33.86 v1(179.35,30.32) ; v1(82.62,38.41) SW16.1 v1(78.06,40.05) ; v1(226.34,39.83) SW26.1 ; v1(36.76,69.57) 50.38,65 52.67,65.95 v1(69.92,60.07) ; v1(209.64,29.4) SW21.1 v1(204.25,34.28) ; v1(129.65,93.29) 136.42,88.89 138.23,88.89 139.02,89.68 139.83,89.68 141.1,90.95 142.98,90.95 143.76,91.73 164.3,91.73 167.11,94.54 173.74,94.54 v1(174.94,95.2) ; v1(211.66,25.82) v1(229,34.8) v1(241.32,41.27) ; v1(94.84,24.9) v1(79.68,32.73) ; SW3.1 v1(28.61,113.89) ; v1(25.06,99.73) SW7.1 v1(23.44,95.33) ; SW31.1 v1(262.37,95.4) ; v1(269.65,69.19) v1(233.35,57.42) ; v1(257.5,113.84) SW34.1 ; v1(69.42,51.98) SW11.1 68.24,44.99 v1(75.62,41.22)
row_4: length 151.4
  Top w0.25: v1(139.77,3.24) v1(135.92,2.66) ; v1(136.92,35.83) 136.92,38.66 140.17,41.91 140.17,55.08 138.94,56.31 138.93,57.48 137.78,58.62 137.76,60.83 139.77,63.15 139.73,70.35 140.7,71.32 140.7,75.33 141.64,76.27 141.64,80.97 137.54,85.07 137.54,89.74 v1(137.51,89.77) ; v1(132.33,92.61) U1.11 ; v1(159.36,3.55) v1(155.24,2.71) ; v1(141.14,11.95) v1(141.06,34.06)
  Bottom w0.25: v1(137.51,89.77) 136.5,89.77 v1(132.33,92.61) ; SW12.1 127.38,2.72 v1(135.92,2.66) ; v1(136.92,35.83) 138.46,34.06 v1(141.06,34.06) ; SW22.1 v1(159.36,3.55) ; SW17.1 143.72,9.47 v1(141.14,11.95) ; SW17.1 147.19,2.8 v1(155.24,2.71) ; SW17.1 v1(139.77,3.24)
row_5: length 110.8
  Top w0.25: v1(135.79,35.18) 135.79,38.72 139.42,42.35 139.42,54.46 138.07,55.81 138.07,57.1 136.98,58.19 136.98,61.18 138.83,63.32 138.83,70.57 139.81,71.55 v1(139.81,75) ; U1.13 147.23,108.64 147.23,83.92 145.66,82.35 v1(145.66,75.13)
  Bottom w0.25: v1(139.81,75) 139.94,75.13 v1(145.66,75.13) ; v1(135.79,35.18) 137.79,33.18 147.25,33.18 156.26,24.17 HAT1.4
row_6: length 535.1
  Top w0.25: v1(91.87,30.09) v1(94.72,30.14) 96.43,31.11 99.89,37.43 99.73,38.27 v1(104.25,47.19) ; v1(192.28,15.55) v1(190.45,18.99) ; v1(109.75,46.32) 115.59,58.5 117.91,58.52 119.4,61.75 121.24,62.2 121.79,63.11 121.22,64.83 127.17,76.87 126.26,81.85 130.92,90.98 133.21,91.66 134.11,93.55 139.29,94.76 143.62,101.16 143.44,102.49 v1(144.66,104.35) ; v1(62.22,43.32) 68.6,55.45 v1(67.96,57.73) ; v1(109.32,19.19) 109.63,18.88 v1(113.02,18.88) ; v1(280.93,73.85) 283.17,74.37 284.41,78.36 v1(281.61,88.31) ; v1(231.84,57.99) v1(241.03,39.92) ; v1(265.42,74.23) v1(266.79,69.28) ; v1(284.47,91.44) v1(281.14,104.41)
  Bottom w0.25: v1(62.22,43.32) 76.06,35.94 80.48,35.99 v1(91.87,30.09) ; v1(284.47,91.44) SW44.1 v1(281.61,88.31) ; v1(109.32,19.19) 101.08,23.86 SW41.1 97.7,30.37 v1(94.72,30.14) ; v1(67.96,57.73) 32.89,69.55 31.07,69.5 20.51,72.94 SW40.1 18.55,81.11 18.81,82.52 18.28,83.48 4.58,87.2 SW39.1 SW38.1 ; v1(190.45,18.99) SW42.1 183.04,21 181.86,19.82 113.96,19.82 v1(113.02,18.88) ; v1(109.75,46.32) 107.31,47.55 105.81,47.19 v1(104.25,47.19) ; v1(192.28,15.55) 210.32,24.7 212.16,24.83 v1(241.03,39.92) ; U1.28 v1(144.66,104.35) ; v1(265.42,74.23) SW43.1 271.55,71.22 v1(280.93,73.85) ; v1(281.14,104.41) SW45.1 ; v1(266.79,69.28) v1(231.84,57.99)
